# Altium PCB 11BRANMB10H2_20170927.pcbdoc (part 7 of 11) (continued)
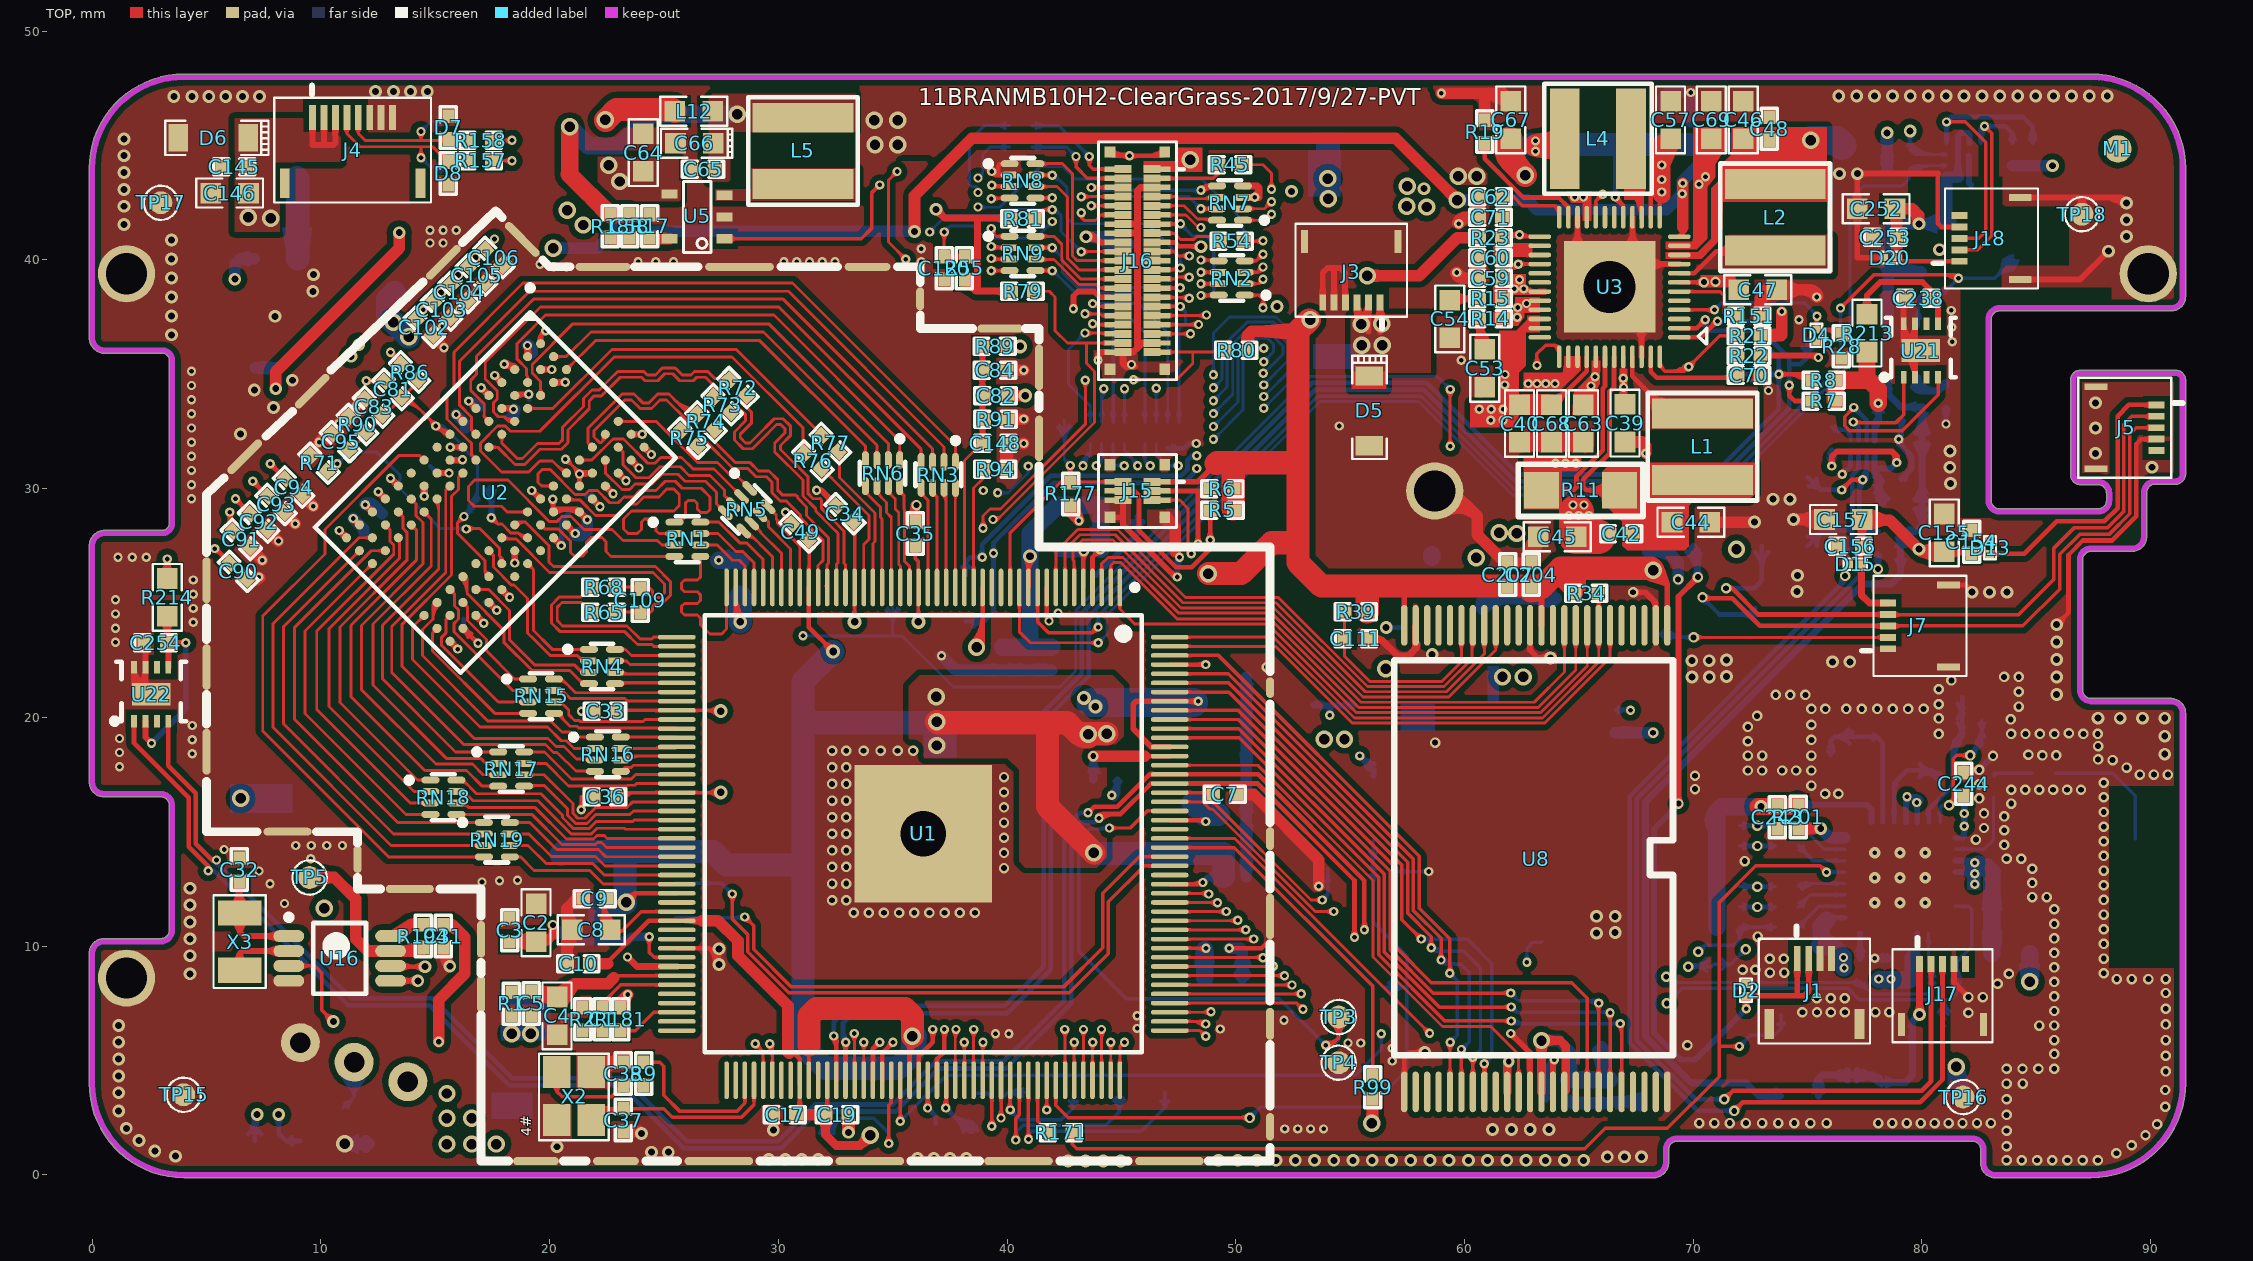
[diagram p0: TOP view]
## Nets (pads, with @x,y where several pads share a name; then routed paths per layer and width w, separated by ;. In a path a pad name is that pad's centre, name@x,y a point inside that pad or via, vN(x,y) a via of type N, cw(c..) or ccw(c..) an arc to the next point about the centre after c; other vN are vias at no path point) (continued)
  Singal w0.127: v1(43.247,42.062) 42.723,42.587 42.723,43.154 43.107,43.538 45.532,43.538 46.469,42.602 48.723,42.602 49.378,41.948 49.378,39.402 48.933,38.957 v1(48.476,38.957) ; 43.009,42.301 ccw(c43.247,42.539) 43.247,42.202 cw(c43.247,42.539) 43.009,42.301 ; 43.009,42.301 cw(c42.77,42.062) 43.108,42.062 ccw(c42.77,42.062) 43.009,42.301 ; 48.813,38.957 ccw(c48.813,38.62) 48.575,38.858 cw(c48.813,38.62) 48.813,38.957 ; 48.813,38.957 cw(c48.813,39.294) 48.575,39.056 ccw(c48.813,39.294) 48.813,38.957
N16978424: J16.13 RN2.8 | length 11
  TOP w0.152: J16.13@46.335,41.57 J16.13@46.925,41.57 47.577,41.57 v1(47.586,41.58) ; v1(48.476,38.449) 49.245,38.449 RN2.8@49.257,38.461 ; 48.782,38.449 ccw(c48.782,38.142) 48.566,38.359 cw(c48.782,38.142) 48.782,38.449 ; 48.782,38.449 cw(c48.782,38.756) 48.566,38.539 ccw(c48.782,38.756) 48.782,38.449 ; 47.256,41.57 ccw(c47.256,41.91) 47.497,41.67 cw(c47.256,41.91) 47.256,41.57 ; 47.303,41.57 cw(c47.303,41.297) 47.497,41.49 ccw(c47.303,41.297) 47.303,41.57 ; 48.803,38.449 ccw(c48.803,38.674) 48.962,38.515 cw(c48.803,38.674) 48.803,38.449 ; 48.86,38.449 cw(c48.86,38.306) 48.962,38.407 ccw(c48.86,38.306) 48.86,38.449
  BOTTOM w0.152: v1(47.586,41.58) 47.586,41.568 48.115,41.04 48.711,41.04 49.035,40.716 49.035,38.601 48.882,38.449 v1(48.476,38.449) ; 48.782,38.449 ccw(c48.782,38.142) 48.566,38.359 cw(c48.782,38.142) 48.782,38.449 ; 48.782,38.449 cw(c48.782,38.756) 48.566,38.539 ccw(c48.782,38.756) 48.782,38.449 ; v1@47.586,41.453 cw(c47.586,41.174) 47.783,41.371 ccw(c47.586,41.174) v1@47.586,41.453 ; v1@47.713,41.58 ccw(c48.048,41.58) 47.811,41.343 cw(c48.048,41.58) v1@47.713,41.58
N16998285: C38.2 R9.2 X2.3 | length 10.6
  TOP w0.152: X2.3@20.317,4.495 20.317,3.643 ; 22.933,3.628 ccw(c22.837,3.986) C38.2@23.193,3.883 ; R9.2@24.103,3.927 23.222,3.927 23.218,3.923 22.706,3.411 20.547,3.411 20.315,3.643 20.317,3.643 ; 20.317,3.643 ccw(c20.038,3.643) 20.135,3.904 cw(c20.038,3.643) 20.317,3.643 ; 20.317,3.643 cw(c20.595,3.643) 20.499,3.904 ccw(c20.595,3.643) 20.317,3.643 ; 23.633,3.927 ccw(c23.633,3.508) 23.337,3.805 cw(c23.633,3.508) 23.633,3.927 ; 23.633,3.927 cw(c23.633,4.347) 23.337,4.05 ccw(c23.633,4.347) 23.633,3.927 ; 23.697,3.927 ccw(c23.697,4.347) 23.994,4.05 cw(c23.697,4.347) 23.697,3.927 ; 23.697,3.927 cw(c23.697,3.508) 23.994,3.805 ccw(c23.697,3.508) 23.697,3.927 ; 22.845,3.551 cw(c23.214,3.183) 23.214,3.704 ccw(c23.214,3.183) 22.845,3.551 ; 22.947,3.652 ccw(c22.722,3.877) 23.04,3.877 cw(c22.722,3.877) 22.947,3.652
N17029739: R74.2 U2.C7 | length 10.5
  TOP w0.127: U2.C7@21.733,31.836 ccw(c21.545,31.867) 21.679,32.001 ; U2.C7@21.845,31.948 cw(c21.814,32.136) 21.679,32.001 ; U2.C7@21.867,31.814 21.679,32.002 ; 25.441,33.908 ccw(c26.447,34.914) R74.2@26.447,33.492 ; 25.658,33.692 ccw(c26.447,34.48) R74.2@26.447,33.365 ; 25.875,33.475 ccw(c26.447,34.047) R74.2@26.447,33.238 ; R74.2@26.303,33.187 ccw(c26.037,32.969) 26.037,33.312 ; R74.2@26.31,33.432 cw(c26.037,33.683) 26.037,33.312 ; R74.2@26.44,33.312 26.037,33.312 ; 21.679,32.002 21.679,32.641 23.174,34.136 23.686,34.136 24.067,33.755 24.343,33.755 24.724,34.136 25.214,34.136 26.037,33.312
N17029768: R75.2 U2.B7 | length 7.9
  TOP w0.127: U2.B7@22.311,32.318 cw(c22.085,32.206) 22.264,32.027 ; 22.388,32.152 ccw(c22.252,32.289) U2.B7@22.424,32.375 ; U2.B7@22.433,32.379 22.433,32.197 22.264,32.027 ; R75.2@25.703,32.601 25.947,32.845 ; R75.2@25.74,32.778 ccw(c25.778,33.013) 25.947,32.845 ; R75.2@25.891,32.641 cw(c26.098,32.694) 25.947,32.845 ; 22.264,32.027 22.17,32.027 21.933,32.264 21.933,32.535 23.28,33.882 23.581,33.882 23.962,33.501 24.448,33.501 24.829,33.882 25.108,33.882 25.947,33.043 25.947,32.845
N17030637: R73.2 U2.G3 | length 14.4
  TOP w0.127: U2.G3@17.342,31.813 17.729,31.813 18.48,31.062 18.915,31.062 19.575,31.723 20.52,31.723 20.809,32.012 20.809,32.57 21.73,33.491 21.73,33.836 21.953,34.059 22.273,34.059 23.086,34.872 24.012,34.872 24.165,34.72 24.727,34.72 25.032,35.025 25.384,35.025 25.689,34.72 26.281,34.72 26.433,34.872 26.81,34.872 27.151,34.532 ; U2.G3@17.438,31.717 cw(c17.671,31.484) 17.671,31.813 cw(c17.671,32.143) U2.G3@17.438,31.91 ; R73.2@27.026,34.199 ccw(c26.725,34.5) 27.151,34.5 ; R73.2@27.151,34.074 27.151,34.532 ; R73.2@27.289,34.2 cw(c27.618,34.532) 27.151,34.532
N17030639: R72.2 U2.F3 | length 14.4
  TOP w0.127: U2.F3@17.811,32.283 cw(c17.578,32.05) 17.908,32.05 cw(c18.237,32.05) U2.F3@18.004,32.283 ; U2.F3@17.908,32.379 17.908,31.994 18.585,31.316 18.809,31.316 19.47,31.977 20.414,31.977 20.555,32.117 20.555,32.675 21.476,33.597 21.476,33.942 21.848,34.313 22.168,34.313 22.645,34.79 22.98,35.126 24.118,35.126 24.27,34.974 24.622,34.974 24.927,35.279 25.489,35.279 25.794,34.974 26.175,34.974 26.328,35.126 26.916,35.126 27.231,34.811 R72.2@27.837,34.811 ; 27.376,34.811 cw(c27.376,34.337) R72.2@27.712,34.672 ; 27.41,34.811 ccw(c27.41,35.237) R72.2@27.712,34.936
N17030675: R77.2 U2.D3 | length 16.7
  TOP w0.127: U2.D3@19.039,33.511 20.14,33.511 22.721,36.091 28.158,36.091 R77.2@31.875,32.373 ; U2.D3@19.136,33.414 cw(c19.369,33.181) 19.369,33.511 cw(c19.369,33.84) U2.D3@19.136,33.607 ; R77.2@31.696,32.366 ccw(c31.245,32.366) 31.564,32.684 ccw(c31.882,33.002) R77.2@31.882,32.552
N17030677: R76.2 U2.E7 | length 24.3
  TOP w0.127: 20.377,30.967 ccw(c20.736,31.326) U2.E7@20.736,30.819 ; 20.555,30.79 cw(c20.448,30.682) U2.E7@20.599,30.682 ; U2.E7@20.736,30.682 20.662,30.682 20.13,31.215 19.571,31.215 19.089,30.732 17.895,30.732 17.194,31.432 16.973,31.643 16.973,31.983 17.006,32.017 17.723,32.744 18.059,32.744 18.294,32.51 19.571,32.51 22.822,35.761 27.979,35.761 31.078,32.662 31.078,31.646 R76.2@31.113,31.611 ; R76.2@30.988,31.735 ccw(c30.772,31.951) 31.078,31.951 ; 31.078,32.156 ccw(c31.673,32.156) R76.2@31.252,31.735
N17031032: R71.2 U2.L8 | length 26
  TOP w0.127: R71.2@10.244,30.745 cw(c10.532,30.651) 10.462,30.946 ; R71.2@10.245,30.748 cw(c10.521,30.644) R71.2@10.453,30.931 ; R71.2@10.286,30.817 ccw(c10.329,31.001) 10.49,30.902 ; R71.2@10.301,30.944 ccw(c10.343,31.217) 10.533,31.016 ccw(c10.708,30.832) R71.2@10.457,30.79 ; R71.2@10.315,30.717 v1(10.707,31.088) ; R71.2@10.315,30.941 ccw(c10.372,31.182) v1@10.582,31.052 ; R71.2@10.361,30.903 ccw(c10.448,31.195) v1@10.593,30.927 ; R71.2@10.399,30.887 ccw(c10.486,31.042) v1@10.609,30.913 ; R71.2@10.418,30.954 cw(c10.539,30.731) v1@10.647,30.961 ; R71.2@10.434,30.856 cw(c10.618,30.743) v1@10.672,30.952 ; 10.443,30.968 ccw(c10.315,31.204) v1@10.573,31.127 ; R71.2@10.448,30.892 ccw(c10.362,31.25) v1@10.695,31.093 ; R71.2@10.488,30.897 ccw(c10.422,31.173) v1@10.694,31.091 ; 10.492,30.967 cw(c10.563,30.891) v1@10.624,30.975 ; R71.2@10.494,30.718 cw(c10.772,30.708) v1@10.64,30.952 ; 10.513,30.911 cw(c10.735,30.845) v1@10.708,31.075 ; 10.518,31.003 cw(c10.649,30.942) v1@10.702,31.076 ; R71.2@10.533,30.851 ccw(c10.415,30.977) v1@10.576,31.038 ; 10.561,30.868 ccw(c10.707,30.713) R71.2@10.494,30.719 ; 10.583,30.897 ccw(c10.522,31.06) v1@10.694,31.086 ; 10.589,30.905 cw(c10.698,30.79) v1@10.703,30.948 ; v1(16.356,28.236) 16.386,28.266 16.932,28.266 17.801,27.396 17.801,27.079 ; U2.L8@17.908,26.722 17.908,26.973 ; R71.2@10.429,30.918 ccw(c10.298,31.16) v1@10.569,31.112 ; R71.2@10.429,30.918 ccw(c10.298,31.16) v1@10.569,31.112 ; R71.2@10.429,30.918 ccw(c10.298,31.16) v1@10.569,31.112 ; R71.2@10.454,30.932 cw(c10.587,30.685) v1@10.667,30.954 ; R71.2@10.454,30.932 cw(c10.587,30.685) v1@10.667,30.954 ; R71.2@10.454,30.932 cw(c10.587,30.685) v1@10.667,30.954 ; R71.2@10.462,30.856 ccw(c10.23,31.101) 10.567,31.091 cw(c10.23,31.101) R71.2@10.462,30.856 ; R71.2@10.462,30.856 cw(c10.693,30.611) v1@10.703,30.948 ; R71.2@10.462,30.856 cw(c10.693,30.611) v1@10.703,30.948 ; R71.2@10.494,30.719 cw(c10.91,30.708) 10.624,31.01 ccw(c10.91,30.708) R71.2@10.494,30.719 ; R71.2@10.504,30.814 cw(c10.747,30.664) v1@10.72,30.949 ; R71.2@10.504,30.814 cw(c10.747,30.664) v1@10.72,30.949 ; R71.2@10.504,30.814 cw(c10.747,30.664) v1@10.72,30.949 ; 10.542,30.876 ccw(c10.34,31) v1@10.571,31.055 ; 10.542,30.876 ccw(c10.34,31) v1@10.571,31.055 ; 10.542,30.876 ccw(c10.34,31) v1@10.571,31.055 ; 17.801,27.079 cw(c17.666,26.944) 17.807,26.815 ccw(c17.666,26.944) 17.801,27.079 ; 17.801,27.079 17.908,26.973 ; 17.908,26.973 ccw(c18.069,26.973) 17.982,26.837 cw(c18.069,26.973) 17.908,26.973 ; 17.908,26.973 cw(c17.746,26.973) 17.834,26.837 ccw(c17.746,26.973) 17.908,26.973 ; R71.2@10.313,30.911 ccw(c10.326,31.395) 10.659,31.043 cw(c10.326,31.395) R71.2@10.313,30.911 ; v1@16.455,28.138 cw(c16.765,27.827) 16.765,28.266 ccw(c16.765,27.827) v1@16.455,28.138 ; v1@16.455,28.335 ccw(c16.622,28.502) 16.622,28.266 cw(c16.622,28.502) v1@16.455,28.335 ; 17.895,26.985 cw(c17.764,26.854) 17.901,26.729 ccw(c17.764,26.854) 17.895,26.985
  BOTTOM w0.127: v1(10.707,31.088) 11.215,31.596 12.442,31.596 13.451,30.586 13.451,30.382 13.397,30.328 13.397,30.08 15.211,28.266 16.326,28.266 v1(16.356,28.236) ; 10.945,31.326 ccw(c11.183,31.088) 10.846,31.088 cw(c11.183,31.088) 10.945,31.326 ; 10.945,31.326 cw(c10.707,31.565) 10.707,31.227 ccw(c10.707,31.565) 10.945,31.326 ; 15.947,28.266 cw(c15.947,27.827) 16.257,28.138 ccw(c15.947,27.827) 15.947,28.266 ; 16.09,28.266 ccw(c16.09,28.502) 16.257,28.335 cw(c16.09,28.502) 16.09,28.266
N17176459: R151.2 U3.6 | length 4.7
  TOP w0.152: U3.6@69.393,38.619 70.28,38.619 ; 70.289,38.619 71.186,38.619 71.367,38.438 71.367,37.669 71.487,37.549 ; R151.2@71.939,37.549 71.487,37.549 ; 71.487,37.549 ccw(c71.487,37.928) 71.762,37.668 cw(c71.487,37.928) 71.487,37.549 ; 71.487,37.549 cw(c71.487,37.17) 71.762,37.43 ccw(c71.487,37.17) 71.487,37.549
N17436294: R156.1 U7.2 | length 3.9
  BOTTOM w0.145: U7.2@81.468,14.237 82.715,14.237 83.134,14.657 R156.1@83.134,16.416 R156.1@83.134,16.518 ; U7.2@81.78,14.2 cw(c81.87,14.11) 81.87,14.237 cw(c81.87,14.364) U7.2@81.78,14.274
N17436340: C213.1 C215.1 R156.2 | length 2
  BOTTOM w0.145: R156.2@83.134,17.518 83.168,17.551 83.972,17.551 C213.1@84.819,17.551 ; R156.2@83.157,17.443 cw(c83.419,17.182) 83.419,17.551
N17436479: A1.3@89.325,14.7 C213.2 C216.1 | length 5.8
  BOTTOM w0.145: C213.2@85.819,17.551 86.69,17.551 88.354,17.551 89.325,16.58 A1.3@89.325,14.7
N17436778: A1.2 R160.1
N17439379: R204.1 U7.26 | length 4.5
  BOTTOM w0.254: R204.1@74.553,16.18 74.72,16.18 77.588,16.18 77.793,15.975 U7.26@77.793,15.412 ; R204.1@74.857,16.072 cw(c75.118,15.811) 75.118,16.18 ccw(c75.118,15.811) R204.1@74.857,16.072
N17493110: C1.1 R2.2 | length 3.6
  TOP w0.127: R2.2@21.454,6.358 C1.1@22.267,6.358 ; R2.2@21.586,6.225 cw(c21.907,5.904) 21.907,6.358 ccw(c21.907,5.904) R2.2@21.586,6.225 ; R2.2@21.586,6.489 ccw(c21.902,6.805) 21.902,6.358 cw(c21.902,6.805) R2.2@21.586,6.489 ; 21.84,6.358 cw(c21.84,5.905) 22.16,6.225 ccw(c21.84,5.905) 21.84,6.358 ; 21.844,6.358 ccw(c21.844,6.805) 22.16,6.489 cw(c21.844,6.805) 21.844,6.358
N17550444: C225.1 C227.1 D18.1 L18.1 U15.6
N17550467: L18.2 U15.1
N17550469: R188.2 R189.1 U15.4 | length 10.1
  Singal w0.254: v1(54.114,20.091) 54.952,20.091 55.421,19.623 v1(55.421,18.316)
  BOTTOM w0.254: R188.2@53.395,20.549 53.42,20.523 54.114,20.523 ; v1(54.114,20.091) 54.114,20.523 ; R189.1@55.164,20.523 54.114,20.523 ; v1(55.421,18.316) 56.02,17.717 U15.4@56.02,17.452 ; 54.817,20.523 ccw(c54.817,20.82) 55.027,20.61 cw(c54.817,20.82) 54.817,20.523 ; 54.817,20.523 cw(c54.817,20.226) 55.027,20.436 ccw(c54.817,20.226) 54.817,20.523 ; v1@55.495,18.336 ccw(c55.893,18.443) 55.687,18.085 ; v1@55.495,18.336 ccw(c55.893,18.443) 55.687,18.085 ; v1@55.495,18.336 ccw(c55.893,18.443) 55.687,18.085 ; R188.2@53.532,20.636 ccw(c53.803,20.907) 53.803,20.523 cw(c53.803,20.907) R188.2@53.532,20.636 ; 55.604,18.133 ccw(c56.02,18.549) 56.02,17.96 cw(c56.02,18.549) 55.604,18.133 ; U15.4@55.733,18.004 cw(c55.499,17.77) 55.83,17.77 ccw(c55.499,17.77) U15.4@55.733,18.004
N17556983: R194.1 TP5.1 U16.7 | length 9.8
  TOP w0.508: TP5.1@9.5,13 10.583,13 11.518,12.065 11.518,10.312 12.045,9.785 U16.7@13.044,9.785 14.311,9.785 R194.1@14.465,9.939 ; 10.094,13 ccw(c10.094,12.406) 9.674,12.826 cw(c10.094,12.406) 10.094,13 ; 10.094,13 cw(c10.094,13.594) 9.674,13.174 ccw(c10.094,13.594) 10.094,13 ; R194.1@14.223,9.785 ccw(c14.223,10.131) 14.468,9.887 cw(c14.223,10.131) R194.1@14.223,9.785
N17556994: C32.2 U16.1 X3.2 | length 11.9
  TOP w0.254: C32.2@6.424,12.847 6.424,11.472 X3.2@6.45,11.447 6.45,10.62 ; U16.1@8.594,10.435 6.634,10.435 6.45,10.62 ; 6.424,12.5 ccw(c6.127,12.5) 6.337,12.71 cw(c6.127,12.5) 6.424,12.5 ; 6.424,12.5 cw(c6.721,12.5) 6.511,12.71 ccw(c6.721,12.5) 6.424,12.5 ; 6.45,10.62 ccw(c5.853,10.62) 6.202,11.104 cw(c5.853,10.62) 6.45,10.62 ; 6.45,10.62 cw(c7.047,10.62) 6.697,11.104 ccw(c7.047,10.62) 6.45,10.62 ; 7.858,10.435 ccw(c7.858,10.756) 8.085,10.529 cw(c7.858,10.756) 7.858,10.435 ; 7.858,10.435 cw(c7.858,10.114) 8.085,10.341 ccw(c7.858,10.114) 7.858,10.435 ; X3.2@6.151,11.746 ccw(c5.49,12.407) 6.424,12.407 cw(c5.49,12.407) X3.2@6.151,11.746 ; 6.424,12.53 ccw(c7.532,12.53) 6.749,11.746 cw(c7.532,12.53) 6.424,12.53
N17557015: U16.2 X3.1 | length 5.7
  TOP w0.254: X3.1@6.45,8.947 6.45,9.68 ; U16.2@8.594,9.785 6.555,9.785 6.45,9.68 ; 6.45,9.68 ccw(c6.873,9.68) 6.661,9.313 cw(c6.873,9.68) 6.45,9.68 ; 6.45,9.68 cw(c6.026,9.68) 6.238,9.313 ccw(c6.026,9.68) 6.45,9.68 ; 7.858,9.785 ccw(c7.858,10.106) 8.085,9.879 cw(c7.858,10.106) 7.858,9.785 ; 7.858,9.785 cw(c7.858,9.464) 8.085,9.691 ccw(c7.858,9.464) 7.858,9.785
N17569799: C237.1 U19.4 | length 6
  BOTTOM w0.305: U19.4@79.81,34.566 cw(c79.674,34.33) 79.937,34.401 ; U19.4@79.834,34.857 79.834,34.478 80.048,34.265 80.675,34.265 ; C237.1@81.064,34.654 80.675,34.265 ; 80.675,34.265 cw(c80.675,35.318) 79.87,34.638 ccw(c80.675,35.318) 80.675,34.265 ; U19.4@79.638,34.441 ccw(c80.018,34.762) 80.018,34.265 cw(c80.018,34.762) U19.4@79.638,34.441 ; U19.4@79.882,34.607 ccw(c80.307,34.607) 80.006,34.306 cw(c80.307,34.607) U19.4@79.882,34.607 ; 80.812,34.402 cw(c81.064,34.15) 81.064,34.506 ccw(c81.064,34.15) 80.812,34.402
N17725418: R201.2 U7.24 | length 2.2
  TOP w0.508: R201.2@74.587,15.146 75.569,15.146 v3(75.577,15.138)
  BOTTOM w0.508: v3(75.577,15.138) 75.978,14.737 U7.24@76.618,14.737
N17726905: C245.2 R155.2 R202.2 U7.31 | length 15.3
  BOTTOM w0.203: U7.31@80.293,15.412 80.293,15.975 81.343,17.025 81.343,18.712 ; 81.423,18.46 ccw(c80.994,18.708) C245.2@81.436,18.932 ; 81.693,19.329 ccw(c81.824,19.254) C245.2@81.745,19.126 ; 81.693,19.532 cw(c81.824,19.607) R202.2@81.745,19.736 ; 81.693,20.193 ccw(c81.824,20.118) R202.2@81.745,19.989 ; 81.693,20.37 cw(c81.824,20.446) R155.2@81.745,20.574 ; R155.2@81.757,20.879 81.757,20.701 81.757,19.863 81.757,19.126 81.624,18.993 81.343,18.712 ; 81.343,18.712 ccw(c81.139,18.916) 81.422,18.971 cw(c81.139,18.916) 81.343,18.712 ; 81.343,18.097 cw(c82.47,18.097) 81.673,18.894 ccw(c82.47,18.097) 81.343,18.097 ; 81.343,18.588 cw(c81.98,18.588) 81.529,19.038 ccw(c81.98,18.588) 81.343,18.588 ; C245.2@81.421,18.79 cw(c81.568,18.642) 81.568,18.851 ccw(c81.568,18.642) C245.2@81.421,18.79 ; C245.2@81.563,19.104 ccw(c81.095,19.573) 81.757,19.573 cw(c81.095,19.573) C245.2@81.563,19.104 ; R202.2@81.563,19.758 cw(c81.095,19.289) 81.757,19.289 ccw(c81.095,19.289) R202.2@81.563,19.758 ; R202.2@81.563,19.968 ccw(c81.095,20.436) 81.757,20.436 cw(c81.095,20.436) R202.2@81.563,19.968 ; R155.2@81.563,20.596 cw(c81.095,20.127) 81.757,20.127 ccw(c81.095,20.127) R155.2@81.563,20.596
N17728099: R203.2 U7.16 | length 2.1
  BOTTOM w0.254: U7.16@77.293,10.562 77.293,9.452 R203.2@77.304,9.441 ; R203.2@77.217,9.578 ccw(c77.035,9.76) 77.293,9.76 cw(c77.035,9.76) R203.2@77.217,9.578 ; 77.293,9.815 ccw(c77.629,9.815) 77.391,9.578 cw(c77.629,9.815) 77.293,9.815
N17734642: C248.2 C249.2 D19.1 J17.1 R198.1 | length 22.7
  TOP w0.305: v3(79.895,7.01) 79.9,7.015 J17.1@79.9,9.225 ; v3@79.805,7.1 ccw(c79.577,7.329) 79.9,7.329 cw(c79.577,7.329) v3@79.805,7.1 ; 79.9,7.305 ccw(c80.19,7.305) 79.985,7.1 cw(c80.19,7.305) 79.9,7.305
  BOTTOM w0.305: R198.1@75.476,3.454 75.476,4.204 75.626,4.354 C249.2@76.949,4.354 77.883,4.354 C248.2@78.156,4.081 78.199,4.038 79.273,4.038 79.579,4.344 79.579,6.248 79.579,6.694 v3(79.895,7.01) ; C249.2@77.151,4.136 cw(c77.544,3.714) 77.693,4.271 ; C249.2@77.207,4.503 ccw(c77.498,4.672) 77.411,4.347 ; 77.707,4.281 ccw(c77.986,4.764) C248.2@78.131,4.225 ; 75.476,4.173 ccw(c76.195,4.173) 75.687,3.665 cw(c76.195,4.173) 75.476,4.173 ; 75.476,4.173 cw(c74.758,4.173) 75.266,3.665 ccw(c74.758,4.173) 75.476,4.173 ; 76.23,4.354 ccw(c76.23,5.073) 76.738,4.565 cw(c76.23,5.073) 76.23,4.354 ; 76.23,4.354 cw(c76.23,3.636) 76.738,4.144 ccw(c76.23,3.636) 76.23,4.354 ; 77.667,4.354 ccw(c77.667,3.636) 77.159,4.144 cw(c77.667,3.636) 77.667,4.354 ; 77.667,4.354 cw(c77.667,5.073) 77.159,4.565 ccw(c77.667,5.073) 77.667,4.354 ; 79.678,6.794 ccw(c79.462,7.01) 79.768,7.01 cw(c79.462,7.01) 79.678,6.794 ; 79.678,6.794 cw(c79.895,6.577) 79.895,6.883 ccw(c79.895,6.577) 79.678,6.794 ; C249.2@77.381,4.354 cw(c77.381,3.356) 78.087,4.062 ccw(c77.381,3.356) C249.2@77.381,4.354 ; 77.904,4.333 ccw(c78.156,4.585) 78.156,4.229 cw(c78.156,4.585) 77.904,4.333 ; C248.2@78.225,3.962 cw(c78.409,3.778) 78.409,4.038 ccw(c78.409,3.778) C248.2@78.225,3.962
N17747477: R209.1 U20.5 | length 3.1
  BOTTOM w0.152: R209.1@76.065,32.687 R209.1@76.06,32.682 76.179,32.563 76.695,32.563 76.898,32.36 76.881,32.343 U20.5@76.881,32.11 ; 76.83,32.379 ccw(c76.961,32.414) U20.5@76.893,32.296 ; R209.1@76.183,32.509 cw(c76.313,32.379) 76.313,32.563 ccw(c76.313,32.379) R209.1@76.183,32.509 ; R209.1@76.183,32.755 ccw(c76.646,33.218) 76.646,32.563 cw(c76.646,33.218) R209.1@76.183,32.755 ; 76.769,32.489 cw(c76.555,32.275) 76.857,32.275 ccw(c76.555,32.275) 76.769,32.489
N17800108: C251.2 L7.1 L19.1 U9.6
N17800564: D12.2 L7.2 U9.4
N17849143: C238.1 R213.2 U21.5 | length 9.6
  TOP w0.254: R213.2@77.6,37.626 77.6,38.46 78.18,39.04 80.021,39.04 80.331,38.729 80.334,38.729 C238.1@80.334,38.327 80.702,37.959 U21.5@80.702,37.216 ; 77.6,38.405 ccw(c78.38,38.405) 77.828,37.854 cw(c78.38,38.405) 77.6,38.405 ; 77.6,38.405 cw(c76.82,38.405) 77.372,37.854 ccw(c76.82,38.405) 77.6,38.405 ; 80.334,38.624 ccw(c80.631,38.624) 80.421,38.414 cw(c80.631,38.624) 80.334,38.624 ; 80.334,38.624 cw(c80.037,38.624) 80.247,38.414 ccw(c80.037,38.624) 80.334,38.624 ; C238.1@80.507,38.327 ccw(c80.925,38.327) 80.629,38.032 cw(c80.925,38.327) C238.1@80.507,38.327
N167142980: C53.1 R14.1 | length 9
  TOP w0.254: C53.1@60.663,36.326 ccw(c60.552,36.446) 60.692,36.531 ccw(c60.904,36.659) C53.1@60.895,36.411 ; C53.1@60.685,36.345 ccw(c60.447,36.654) 60.781,36.857 ; C53.1@60.84,36.143 ccw(c60.621,36.428) 60.928,36.614 ; C53.1@60.882,36.089 60.636,36.334 R14.1@60.636,37.422 ; 60.636,37.125 ccw(c60.339,37.125) 60.549,37.335 cw(c60.339,37.125) 60.636,37.125 ; 60.636,37.125 cw(c60.933,37.125) 60.723,37.335 ccw(c60.933,37.125) 60.636,37.125 ; R14.1@60.636,37.422 ccw(c62.16,37.422) 61.105,36.322 cw(c62.16,37.422) R14.1@60.636,37.422 ; 60.746,37.01 cw(c61.193,37.13) R14.1@60.793,37.361 ; 60.746,37.01 cw(c61.193,37.13) R14.1@60.793,37.361 ; 60.746,37.01 cw(c61.193,37.13) R14.1@60.793,37.361 ; 60.636,36.827 ccw(c61.589,36.827) 60.93,36.138 cw(c61.589,36.827) 60.636,36.827
NALE: U1.7 U8.17 | length 25.6
  TOP w0.127: U1.7@42.535,25.683 42.535,27.33 43.189,27.984 44.727,27.984 47.696,25.015 51.764,25.015 55.659,21.12 59.216,21.12 60.867,22.771 U8.17@60.867,24.024 ; 60.867,23.094 ccw(c60.688,23.094) 60.815,23.22 cw(c60.688,23.094) 60.867,23.094 ; 60.867,23.094 cw(c61.046,23.094) 60.919,23.22 ccw(c61.046,23.094) 60.867,23.094
NCE0-N: U1.2 U8.9 | length 27.2
  TOP w0.127: U1.2@44.535,25.683 44.535,26.64 44.662,26.767 44.974,26.767 47.438,24.303 51.505,24.303 55.374,20.434 63.225,20.434 64.867,22.076 U8.9@64.867,24.024 ; 64.867,23.094 ccw(c64.688,23.094) 64.815,23.22 cw(c64.688,23.094) 64.867,23.094 ; 64.867,23.094 cw(c65.046,23.094) 64.919,23.22 ccw(c65.046,23.094) 64.867,23.094
NCE1-N: U1.3 U8.10 | length 27.2
  TOP w0.127: U1.3@44.135,25.683 44.135,26.716 44.415,26.996 45.069,26.996 47.507,24.557 51.575,24.557 55.469,20.663 63.051,20.663 64.367,21.979 U8.10@64.367,24.024 ; 64.367,23.094 ccw(c64.188,23.094) 64.315,23.22 cw(c64.188,23.094) 64.367,23.094 ; 64.367,23.094 cw(c64.546,23.094) 64.419,23.22 ccw(c64.546,23.094) 64.367,23.094
NCLE: U1.6 U8.16 | length 25.7
  TOP w0.127: U1.6@42.935,25.683 42.935,26.821 42.883,26.873 42.883,27.346 43.293,27.756 44.632,27.756 47.602,24.786 51.669,24.786 55.564,20.892 59.31,20.892 61.367,22.948 U8.16@61.367,24.024 ; 61.367,23.094 ccw(c61.188,23.094) 61.315,23.22 cw(c61.188,23.094) 61.367,23.094 ; 61.367,23.094 cw(c61.546,23.094) 61.419,23.22 ccw(c61.546,23.094) 61.367,23.094
ND0: U1.174 U8.29 | length 30
  TOP w0.152: U1.174@47.11,22.708 49.244,22.708 58.024,13.928 58.024,11.656 59.358,10.322 v1(59.358,8.81) ; U8.29@59.367,3.624 v1@59.367,5.791 ; 59.358,9.116 ccw(c59.665,9.116) 59.448,8.899 cw(c59.665,9.116) 59.358,9.116 ; 59.358,9.116 cw(c59.051,9.116) 59.268,8.899 ccw(c59.051,9.116) 59.358,9.116 ; 59.367,4.523 ccw(c59.515,4.523) 59.41,4.419 cw(c59.515,4.523) 59.367,4.523 ; 59.367,4.523 cw(c59.219,4.523) 59.324,4.419 ccw(c59.219,4.523) 59.367,4.523 ; v1@59.282,5.701 cw(c59.077,5.497) 59.367,5.497 ccw(c59.077,5.497) v1@59.282,5.701 ; 59.367,5.473 cw(c59.691,5.473) 59.462,5.701 ccw(c59.691,5.473) 59.367,5.473
  BOTTOM w0.152: v1(59.358,8.81) 59.688,8.479 59.688,6.107 v1(59.372,5.791) ; 59.575,8.593 ccw(c59.358,8.376) 59.358,8.683 cw(c59.358,8.376) 59.575,8.593 ; 59.575,8.593 cw(c59.792,8.81) 59.485,8.81 ccw(c59.792,8.81) 59.575,8.593 ; 59.589,6.008 ccw(c59.806,5.791) 59.499,5.791 cw(c59.806,5.791) 59.589,6.008 ; 59.589,6.008 cw(c59.372,6.225) 59.372,5.918 ccw(c59.372,6.225) 59.589,6.008
ND1: U1.172 U8.30 | length 32.4
  TOP w0.152: U1.172@47.11,21.908 49.663,21.908 57.77,13.801 57.77,11.551 58.977,10.344 v1(58.977,9.394) ; U8.30@59.867,3.624 v1@59.867,5.481 ; 58.977,9.7 ccw(c59.284,9.7) 59.067,9.484 cw(c59.284,9.7) 58.977,9.7 ; 58.977,9.7 cw(c58.67,9.7) 58.887,9.484 ccw(c58.67,9.7) 58.977,9.7 ; 59.867,4.523 ccw(c60.015,4.523) 59.91,4.419 cw(c60.015,4.523) 59.867,4.523 ; 59.867,4.523 cw(c59.719,4.523) 59.824,4.419 ccw(c59.719,4.523) 59.867,4.523 ; v1(59.866,5.482) v1@59.867,5.481 ; v1@59.776,5.392 cw(c59.557,5.173) 59.867,5.173 ccw(c59.557,5.173) v1@59.776,5.392 ; 59.867,5.178 cw(c60.17,5.178) 59.956,5.392 ccw(c60.17,5.178) 59.867,5.178
  BOTTOM w0.152: v1@58.964,9.416 cw(c59.074,9.223) 59.185,9.415 ; v1(58.977,9.394) 59.155,9.216 59.841,9.216 60.2,8.856 60.2,5.816 v1(59.866,5.482) ; v1@59.01,9.271 cw(c59.068,9.056) 59.179,9.249 ; v1@59.04,9.283 cw(c59.227,8.956) 59.415,9.283 ; v1@59.104,9.405 ccw(c59.329,9.424) 59.216,9.228 ; 60.083,5.699 ccw(c60.3,5.482) 59.993,5.482 cw(c60.3,5.482) 60.083,5.699 ; 60.083,5.699 cw(c59.866,5.916) 59.866,5.609 ccw(c59.866,5.916) 60.083,5.699 ; v1@58.959,9.376 ccw(c59.345,9.762) 59.345,9.216 cw(c59.345,9.762) v1@58.959,9.376 ; v1@59.067,9.484 ccw(c59.713,10.13) 59.713,9.216 cw(c59.713,10.13) v1@59.067,9.484
ND2: U1.171 U8.31 | length 31.6
  TOP w0.152: U1.171@47.11,21.508 49.682,21.508 57.516,13.674 57.516,11.445 58.545,10.417 v1(58.545,9.927) ; U8.31@60.367,3.624 v1(60.367,5.134) ; 58.545,10.234 ccw(c58.852,10.234) 58.635,10.017 cw(c58.852,10.234) 58.545,10.234 ; 58.545,10.234 cw(c58.239,10.234) 58.455,10.017 ccw(c58.239,10.234) 58.545,10.234 ; 60.367,4.523 ccw(c60.515,4.523) 60.41,4.419 cw(c60.515,4.523) 60.367,4.523 ; 60.367,4.523 cw(c60.219,4.523) 60.324,4.419 ccw(c60.219,4.523) 60.367,4.523 ; 60.367,4.827 ccw(c60.06,4.827) 60.277,5.044 cw(c60.06,4.827) 60.367,4.827 ; 60.367,4.827 cw(c60.674,4.827) 60.457,5.044 ccw(c60.674,4.827) 60.367,4.827
  BOTTOM w0.152: v1(58.545,9.927) 58.698,9.775 59.968,9.775 60.7,9.042 60.7,5.467 v1(60.367,5.134) ; v1@58.618,9.823 cw(c58.793,9.576) 58.944,9.838 ; 60.584,5.35 ccw(c60.801,5.134) 60.494,5.134 cw(c60.801,5.134) 60.584,5.35 ; 60.584,5.35 cw(c60.367,5.567) 60.367,5.261 ccw(c60.367,5.567) 60.584,5.35 ; v1@58.527,9.909 ccw(c58.852,10.234) 58.852,9.775 cw(c58.852,10.234) v1@58.527,9.909 ; v1@58.635,10.017 ccw(c59.22,10.602) 59.22,9.775 cw(c59.22,10.602) v1@58.635,10.017
ND3: U1.170 U8.32 | length 30.5
  TOP w0.152: U1.170@47.11,21.108 49.702,21.108 57.262,13.547 57.262,11.159 v1(58.113,10.308) ; U8.32@60.831,3.66 U8.32@60.867,3.624 v1(60.867,4.862) ; 57.897,10.525 ccw(c58.113,10.742) 58.113,10.435 cw(c58.113,10.742) 57.897,10.525 ; 57.897,10.525 cw(c57.68,10.308) 57.986,10.308 ccw(c57.68,10.308) 57.897,10.525 ; 60.867,4.523 ccw(c61.015,4.523) 60.91,4.419 cw(c61.015,4.523) 60.867,4.523 ; 60.867,4.523 cw(c60.719,4.523) 60.824,4.419 ccw(c60.719,4.523) 60.867,4.523 ; 60.867,4.556 ccw(c60.56,4.556) 60.777,4.772 cw(c60.56,4.556) 60.867,4.556 ; 60.867,4.556 cw(c61.174,4.556) 60.957,4.772 ccw(c61.174,4.556) 60.867,4.556
  BOTTOM w0.152: v1(58.113,10.308) 60.12,10.308 61.2,9.228 61.2,5.195 v1(60.867,4.862) ; 58.42,10.308 ccw(c58.42,10.002) 58.203,10.218 cw(c58.42,10.002) 58.42,10.308 ; 58.42,10.308 cw(c58.42,10.615) 58.203,10.398 ccw(c58.42,10.615) 58.42,10.308 ; 61.084,5.079 ccw(c61.301,4.862) 60.994,4.862 cw(c61.301,4.862) 61.084,5.079 ; 61.084,5.079 cw(c60.867,5.296) 60.867,4.989 ccw(c60.867,5.296) 61.084,5.079
ND4: U1.168 U8.41 | length 30.1
  TOP w0.152: U1.168@47.11,20.308 50.095,20.308 57.008,13.394 57.008,9.936 58.542,8.403 64.685,8.403 65.367,7.722 U8.41@65.367,3.624 ; 65.367,4.523 ccw(c65.515,4.523) 65.41,4.419 cw(c65.515,4.523) 65.367,4.523 ; 65.367,4.523 cw(c65.219,4.523) 65.324,4.419 ccw(c65.219,4.523) 65.367,4.523